# Altium PCB SoDeRa-PCIe_1v0.PcbDoc (part 5 of 8)
Units mm, origin at the board's own origin, x right, y up, seen from the top; angles counter-clockwise.
Board outline 136.85 x 68.9 mm, 12 copper layers (Top, L2, L3, L4, L5, L6, L7, L8, L9, L10, L11, Bottom), stack 1.638 mm thick; 750 components, 495 nets, 3617 pads, 1756 vias.
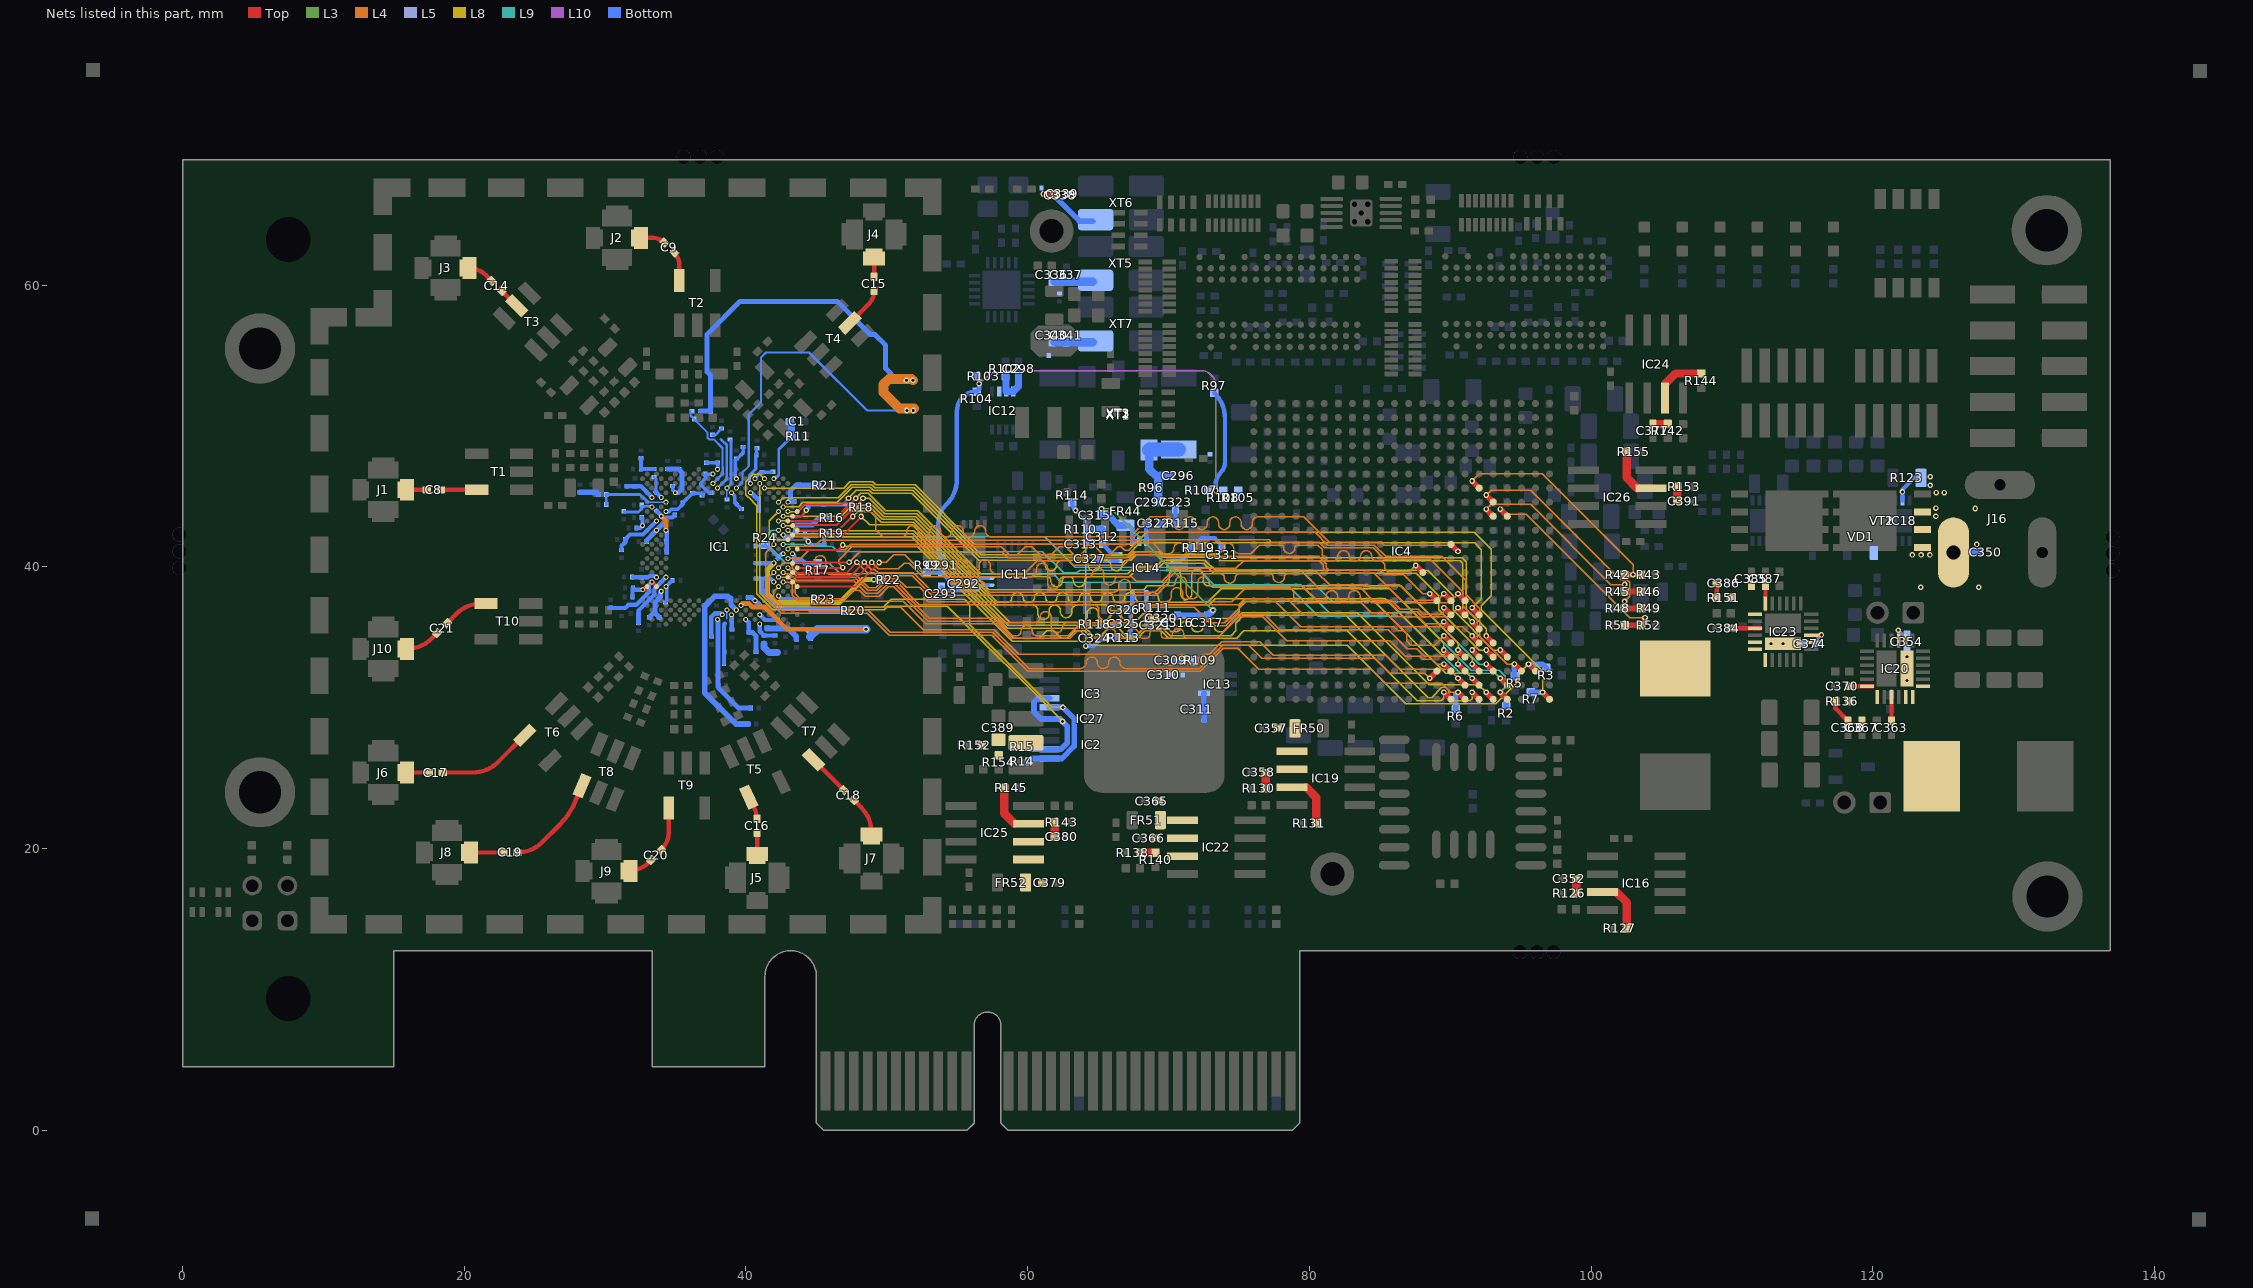
[diagram p15: the nets of this part, all layers, seen from the top]

## Via types
v1: diameter 0.4, hole 0.2, Top to Bottom, tented both sides, 1521 vias
v2: diameter 0.4, hole 0.2, Top to Bottom, tented top, 129 vias
v3: diameter 0.35, hole 0.2, Top to Bottom, tented top, 86 vias
v4: diameter 0.5, hole 0.2, Top to Bottom, tented both sides, 20 vias

## Nets (pads, with @x,y where several pads share a name; then routed paths per layer and width w, separated by ;. In a path a pad name is that pad's centre, name@x,y a point inside that pad or via, vN(x,y) a via of type N, cw(c..) or ccw(c..) an arc to the next point about the centre after c; other vN are vias at no path point) (continued)
LMS_DIQ1_D1: IC1.AF30 IC4.B7 | length 55.1
  Top w0.4: v1(90.55,32.1) IC4.B7@91.05,31.6
  L4 w0.1: v3(42.311,38.602) 41.986,38.277 41.986,37.801 42.637,37.15 50.982,37.15 52.582,35.55 57.633,35.55 59.383,33.8 68.55,33.8 68.95,33.8 69.35,33.8 cw(c69.35,33.4) 69.75,33.4 ccw(c70.15,33.4) 70.15,33 ccw(c70.15,33.4) 70.55,33.4 cw(c70.95,33.4) 70.95,33.8 cw(c70.95,33.4) 71.35,33.4 ccw(c71.75,33.4) 71.75,33 ccw(c71.75,33.4) 72.15,33.4 cw(c72.55,33.4) 72.55,33.8 72.875,33.8 72.891,33.8 73.766,34.675 76.48,34.675 77.43,33.725 85.43,33.725 86.405,32.75 89.9,32.75 v1(90.55,32.1)
LMS_DIQ1_D2: IC1.AF34 IC4.H8 | length 55
  Top w0.15: IC1.AF34@43.643,38.602 47.752,38.602 v1@49.457,40.307
  Top w0.4: v1(89.55,38.1) IC4.H8@90.05,37.6
  L4 w0.1: v1(49.45,40.314) 49.964,40.314 50.5,40.85 51.283,40.85 52.62,39.512 52.95,39.512 ccw(c52.95,39.912) 53.35,39.912 53.35,40.112 cw(c53.75,40.112) 53.75,40.512 cw(c53.75,40.112) 54.15,40.112 54.15,39.912 ccw(c54.55,39.912) 54.55,39.512 ccw(c54.55,39.912) 54.95,39.912 54.95,40.112 cw(c55.35,40.112) 55.35,40.512 cw(c55.35,40.112) 55.75,40.112 55.75,39.912 ccw(c56.15,39.912) 56.15,39.512 ccw(c56.15,39.912) 56.55,39.912 56.55,40.112 cw(c56.95,40.112) 56.95,40.512 cw(c56.95,40.112) 57.35,40.112 57.35,39.912 ccw(c57.75,39.912) 57.75,39.512 58.025,39.512 59.741,39.512 60.678,40.45 62.92,40.45 63.241,40.129 66.787,40.129 67.533,40.875 67.8,40.875 69.141,40.875 70.116,39.9 74.775,39.9 75.325,40.45 80.695,40.45 81,40.145 81,39.872 81.322,39.55 84.605,39.55 85.405,38.75 86.395,38.75 87.495,37.65 89.1,37.65 v1(89.55,38.1)
LMS_DIQ1_D3: IC1.AE31 IC4.C8 | length 55.4
  Top w0.4: v1(89.55,33.1) IC4.C8@90.05,32.6
  L4 w0.1: v3(42.644,38.935) 42.652,38.927 43.112,38.927 43.302,38.736 43.302,38.467 43.3,38.465 43.3,38 43.75,37.55 51.175,37.55 52.775,35.95 57.799,35.95 58.824,34.925 62.98,34.925 63.53,35.475 63.72,35.475 64.27,34.925 65.075,34.925 65.175,34.925 ccw(c65.175,35.225) 65.475,35.225 cw(c65.875,35.225) 65.875,35.625 cw(c65.875,35.225) 66.275,35.225 ccw(c66.575,35.225) 66.575,34.925 66.775,34.925 ccw(c66.775,35.225) 67.075,35.225 cw(c67.475,35.225) 67.475,35.625 cw(c67.475,35.225) 67.875,35.225 ccw(c68.175,35.225) 68.175,34.925 68.375,34.925 ccw(c68.375,35.225) 68.675,35.225 cw(c69.075,35.225) 69.075,35.625 cw(c69.075,35.225) 69.475,35.225 ccw(c69.775,35.225) 69.775,34.925 69.975,34.925 ccw(c69.975,35.225) 70.275,35.225 cw(c70.675,35.225) 70.675,35.625 cw(c70.675,35.225) 71.075,35.225 ccw(c71.375,35.225) 71.375,34.925 71.525,34.925 73.45,34.925 74.975,36.45 76.695,36.45 76.9,36.245 76.9,36.242 77.692,35.45 77.695,35.45 78.395,34.75 85.688,34.75 86.788,33.65 87.883,33.65 88.083,33.45 88.7,33.45 89.05,33.1 v1(89.55,33.1)
LMS_DIQ1_D4: IC1.AD30 IC4.C7 | length 55.3
  Top w0.4: v1(90.55,33.1) IC4.C7@91.05,32.6
  L4 w0.1: v3(42.311,39.268) 43.053,39.268 43.502,38.819 43.502,38.081 43.833,37.75 47.025,37.75 47.625,38.35 48.045,38.35 48.47,37.925 49.449,37.925 50.099,38.575 50.5,38.575 52.925,36.15 57.881,36.15 58.906,35.125 59.125,35.125 59.225,35.125 ccw(c59.225,35.425) 59.525,35.425 cw(c59.925,35.425) 59.925,35.825 cw(c59.925,35.425) 60.325,35.425 ccw(c60.625,35.425) 60.625,35.125 61.125,35.125 61.35,35.125 62.897,35.125 63.597,35.825 74.063,35.825 74.888,36.65 76.778,36.65 77.1,36.328 77.1,36.325 77.775,35.65 77.778,35.65 77.878,35.55 85.605,35.55 86.955,34.2 87.616,34.2 88.166,33.65 90.375,33.65 90.55,33.475 v1(90.55,33.1)
LMS_DIQ1_D5: IC1.AC29 IC4.C9 | length 55.2
  Top w0.4: v1(88.55,32.1) IC4.C9@89.05,32.6
  L4 w0.1: v3(41.978,39.601) 41.6,39.223 41.6,37.904 42.579,36.925 48.68,36.925 50.255,35.35 57.367,35.35 ; 57.367,35.35 57.533,35.35 60.099,32.784 63.75,32.784 ccw(c63.75,33.184) 64.15,33.184 64.15,33.2 cw(c64.55,33.2) 64.55,33.6 cw(c64.55,33.2) 64.95,33.2 64.95,33.184 ccw(c65.35,33.184) 65.35,32.784 ccw(c65.35,33.184) 65.75,33.184 65.75,33.2 cw(c66.15,33.2) 66.15,33.6 cw(c66.15,33.2) 66.55,33.2 66.55,33.184 ccw(c66.95,33.184) 66.95,32.784 67.25,32.784 72.176,32.784 73.842,34.45 75.705,34.45 76.63,33.525 84.625,33.525 85.7,32.45 88.2,32.45 v1(88.55,32.1)
LMS_DIQ1_D6: IC1.AE33 IC4.H7 | length 55.2
  Top w0.15: IC1.AE33@43.31,38.935 43.327,38.952 47.577,38.952 v1@48.935,40.31
  Top w0.4: v1(90.55,38.1) IC4.H7@91.05,37.6
  L4 w0.1: v1@48.925,40.345 v1(48.925,40.32) 49.375,39.87 50.825,39.87 51.23,40.275 51.575,40.275 52.538,39.312 60.225,39.312 ccw(c60.225,39.712) 60.625,39.712 60.625,39.85 cw(c61.025,39.85) 61.025,40.25 cw(c61.025,39.85) 61.425,39.85 61.425,39.312 61.425,38.8 ccw(c61.825,38.8) 61.825,38.4 ccw(c61.825,38.8) 62.225,38.8 62.225,38.912 cw(c62.625,38.912) 62.625,39.312 62.975,39.312 64.2,39.312 64.4,39.312 ccw(c64.4,39.512) 64.6,39.512 cw(c65,39.512) 65,39.912 cw(c65,39.512) 65.4,39.512 65.4,39.312 65.4,39.112 ccw(c65.8,39.112) 65.8,38.712 ccw(c65.8,39.112) 66.2,39.112 cw(c66.4,39.112) 66.4,39.312 66.95,39.312 67.372,39.312 67.709,38.975 69.539,38.975 70.264,39.7 80.455,39.7 81.43,38.725 84.1,38.725 84.275,38.55 85.625,38.55 85.625,38.53 86.705,37.45 89.9,37.45 v1(90.55,38.1)
LMS_DIQ1_D7: IC1.AD32 IC4.G8 | length 55.1
  Top w0.11: IC1.AD32@42.977,39.268 43.585,39.268
  Top w0.15: 43.585,39.268 45.813,39.268 47.348,39.268 48.4,40.32 v1(48.4,40.325)
  Top w0.4: v1(89.55,37.1) IC4.G8@90.05,36.6
  L4 w0.1: v1(48.4,40.325) 48.925,39.8 49.153,39.8 49.378,39.575 51.883,39.575 53.258,38.2 54.2,38.2 ccw(c54.2,38.6) 54.6,38.6 cw(c55,38.6) 55,39 cw(c55,38.6) 55.4,38.6 ccw(c55.8,38.6) 55.8,38.2 ccw(c55.8,38.6) 56.2,38.6 cw(c56.6,38.6) 56.6,39 cw(c56.6,38.6) 57,38.6 ccw(c57.4,38.6) 57.4,38.2 57.725,38.2 66.075,38.2 ccw(c66.075,38.6) 66.475,38.6 66.475,38.713 cw(c66.875,38.713) 66.875,39.113 cw(c66.875,38.713) 67.275,38.713 67.275,38.6 ccw(c67.675,38.6) 67.675,38.2 68.075,38.2 68.375,38.2 69.047,38.2 70.347,39.5 72.725,39.5 73.15,39.5 73.7,39.5 cw(c73.7,39.25) 73.95,39.25 ccw(c74.35,39.25) 74.35,38.85 ccw(c74.35,39.25) 74.75,39.25 cw(c75,39.25) 75,39.5 75.15,39.5 76.425,39.5 76.625,39.5 77.217,39.5 cw(c77.217,39.292) 77.425,39.292 ccw(c77.825,39.292) 77.825,38.892 ccw(c77.825,39.292) 78.225,39.292 cw(c78.433,39.292) 78.433,39.5 78.625,39.5 79.655,39.5 80.63,38.525 83.63,38.525 84.505,37.65 85.808,37.65 86.458,37 87.741,37 88.091,36.65 89.375,36.65 89.55,36.825 v1(89.55,37.1)
LMS_DIQ1_D8: IC1.AC31 IC4.E8 | length 55
  Top w0.4: v1(89.55,35.1) IC4.E8@90.05,34.6
  L4 w0.1: v3(42.644,39.601) 42.72,39.525 43.079,39.525 43.554,39.05 47.628,39.05 48.553,38.125 49.366,38.125 50.016,38.775 50.583,38.775 53.008,36.35 57.964,36.35 58.289,36.025 60.475,36.025 ccw(c60.475,36.425) 60.875,36.425 cw(c61.275,36.425) 61.275,36.825 cw(c61.275,36.425) 61.675,36.425 61.675,36.025 61.675,35.725 ccw(c62.075,35.725) 62.075,35.325 ccw(c62.075,35.725) 62.475,35.725 cw(c62.775,35.725) 62.775,36.025 63.275,36.025 67.605,36.025 68.705,37.125 71.825,37.125 72.925,36.025 73.98,36.025 75.48,37.525 77.62,37.525 79.395,35.75 85.975,35.75 86.275,35.45 86.705,35.45 86.9,35.255 86.9,34.75 87.2,34.45 88.9,34.45 v1(89.55,35.1)
LMS_DIQ1_D9: IC1.AC33 IC4.G7 | length 55.4
  Top w0.15: IC1.AC33@43.31,39.601 43.352,39.559 47.109,39.559 v1(47.875,40.325)
  Top w0.4: v1(90.55,37.1) IC4.G7@91.05,36.6
  L4 w0.1: v1(47.875,40.325) 48.625,39.575 49.095,39.575 49.295,39.375 51.8,39.375 53.175,38 69.13,38 69.78,38.65 70.075,38.65 70.225,38.65 ccw(c70.225,38.9) 70.475,38.9 cw(c70.875,38.9) 70.875,39.3 cw(c70.875,38.9) 71.275,38.9 71.275,38.65 71.275,38.125 ccw(c71.675,38.125) 71.675,37.725 ccw(c71.675,38.125) 72.075,38.125 72.075,38.65 72.075,38.9 cw(c72.475,38.9) 72.475,39.3 cw(c72.475,38.9) 72.875,38.9 ccw(c73.125,38.9) 73.125,38.65 73.675,38.65 73.925,38.65 79.505,38.65 80.505,37.65 80.8,37.65 80.925,37.65 ccw(c80.925,37.925) 81.2,37.925 cw(c81.6,37.925) 81.6,38.325 cw(c81.6,37.925) 82,37.925 ccw(c82.275,37.925) 82.275,37.65 82.525,37.65 ccw(c82.525,37.925) 82.8,37.925 cw(c83.2,37.925) 83.2,38.325 cw(c83.2,37.925) 83.6,37.925 ccw(c83.875,37.925) 83.875,37.65 83.925,37.65 84.222,37.65 84.422,37.45 85.725,37.45 86.375,36.8 87.658,36.8 88.008,36.45 89.9,36.45 v1(90.55,37.1)
LMS_DIQ1_D10: IC1.AB30 IC4.F8 | length 55.2
  Top w0.4: v1(89.55,36.1) IC4.F8@90.05,35.6
  L4 w0.1: v3(42.311,39.934) 42.636,40.259 43.141,40.259 43.302,40.098 43.302,39.892 43.744,39.45 44.475,39.45 ccw(c44.475,39.85) 44.875,39.85 44.875,40.398 cw(c45.275,40.398) 45.275,40.798 cw(c45.275,40.398) 45.675,40.398 45.675,39.85 ccw(c46.075,39.85) 46.075,39.45 46.475,39.45 46.75,39.45 47.794,39.45 48.293,38.95 48.3,38.95 48.725,38.525 49.2,38.525 49.85,39.175 50.749,39.175 51.374,38.55 52.342,38.55 52.65,38.242 52.65,37.825 52.95,37.525 69.8,37.525 ccw(c69.8,37.925) 70.2,37.925 70.2,38.125 cw(c70.6,38.125) 70.6,38.525 cw(c70.6,38.125) 71,38.125 71,37.925 ccw(c71.4,37.925) 71.4,37.525 71.8,37.525 72.3,37.525 74.48,37.525 75.405,38.45 78.695,38.45 78.9,38.245 78.9,37.75 79.2,37.45 83.695,37.45 84.395,36.75 85.875,36.75 86.175,36.45 87.725,36.45 88.225,35.95 89.4,35.95 v1(89.55,36.1)
LMS_DIQ1_D11: IC1.AB32 IC4.E6 | length 55.2
  Top w0.4: v1(91.55,35.1) IC4.E6@92.05,34.6
  L4 w0.1: v3(42.977,39.934) 43.661,39.25 47.711,39.25 48.636,38.325 49.283,38.325 49.933,38.975 50.666,38.975 52.316,37.325 63.85,37.325 64.25,37.325 64.65,37.325 cw(c64.65,36.925) 65.05,36.925 65.05,36.625 ccw(c65.45,36.625) 65.45,36.225 ccw(c65.45,36.625) 65.85,36.625 65.85,36.925 cw(c66.25,36.925) 66.25,37.325 cw(c66.25,36.925) 66.65,36.925 66.65,36.625 ccw(c67.05,36.625) 67.05,36.225 ccw(c67.05,36.625) 67.45,36.625 67.45,36.925 cw(c67.85,36.925) 67.85,37.325 68.25,37.325 68.425,37.325 74.997,37.325 75.397,37.725 78.42,37.725 79.595,36.55 85.605,36.55 86.405,35.75 90.9,35.75 v1(91.55,35.1)
LMS_DIQ2_D0: IC1.H30 IC4.G6 | length 58.1
  Top w0.4: v1(91.55,37.1) IC4.G6@92.05,36.6
  L8 w0.1: v3(42.311,44.596) 42.327,44.596 42.652,44.921 46.543,44.921 47.46,45.838 48.917,45.838 49.13,45.625 51.941,45.625 56.691,40.875 67.144,40.875 67.969,41.7 91.725,41.7 92.2,41.225 92.2,37.75 v1(91.55,37.1)
LMS_DIQ2_D1: IC1.J31 IC4.E5 | length 58.1
  Top w0.4: v1(92.55,35.1) IC4.E5@93.05,34.6
  L8 w0.1: v3(42.644,44.263) 43.735,44.263 44.047,44.575 46.48,44.575 47.543,45.638 48.835,45.638 49.047,45.425 51.858,45.425 56.608,40.675 67.226,40.675 67.626,41.075 69.358,41.075 69.558,40.875 73.533,40.875 73.758,40.65 90.85,40.65 91.15,40.35 91.15,36.995 92.55,35.595 v1(92.55,35.1)
LMS_DIQ2_D2: IC1.K30 IC4.A8 | length 58.2
  Top w0.4: v1(89.55,31.1) IC4.A8@90.05,30.6
  L8 w0.1: v3(42.311,43.93) 42.309,43.931 41.649,43.271 41.649,42.076 41.801,41.924 42.509,41.924 42.824,41.924 43.056,42.156 51.764,42.156 58.995,34.925 60.825,34.925 61.35,35.45 61.85,35.45 62.375,34.925 62.805,34.925 63.33,35.45 64.05,35.45 64.575,34.925 65.283,34.925 65.604,35.246 66.571,35.246 66.892,34.925 67.8,34.925 68.325,35.45 69.5,35.45 70.025,34.925 74.825,34.925 75.35,35.45 82.695,35.45 87.645,30.5 89.375,30.5 89.55,30.675 v1(89.55,31.1)
LMS_DIQ2_D3: IC1.K32 IC4.D7 | length 58.6
  Top w0.4: v1(90.55,34.1) IC4.D7@91.05,33.6
  L8 w0.1: v3(42.977,43.93) 43.685,43.93 44.13,44.375 48.966,44.375 49.766,43.575 52.042,43.575 57.234,38.383 68.225,38.383 68.492,38.65 69.65,38.65 ccw(c69.65,39.05) 70.05,39.05 70.05,39.45 cw(c70.45,39.45) 70.45,39.85 cw(c70.45,39.45) 70.85,39.45 70.85,38.65 70.85,38.1 ccw(c71.25,38.1) 71.25,37.7 ccw(c71.25,38.1) 71.65,38.1 71.65,38.65 71.65,39.45 cw(c72.05,39.45) 72.05,39.85 cw(c72.05,39.45) 72.45,39.45 72.45,39.05 ccw(c72.85,39.05) 72.85,38.65 73.25,38.65 73.3,38.65 86.495,38.65 90.55,34.595 v1(90.55,34.1)
LMS_DIQ2_D4: IC1.L31 IC4.D8 | length 58.5
  Top w0.4: v1(89.55,34.1) IC4.D8@90.05,33.6
  L8 w0.1: v3(42.644,43.597) 46.764,43.597 47.317,44.15 48.908,44.15 49.683,43.375 51.959,43.375 57.834,37.5 58.475,37.5 58.591,37.5 ccw(c58.591,37.784) 58.875,37.784 cw(c59.275,37.784) 59.275,38.184 cw(c59.275,37.784) 59.675,37.784 ccw(c59.959,37.784) 59.959,37.5 60.191,37.5 ccw(c60.191,37.784) 60.475,37.784 cw(c60.875,37.784) 60.875,38.184 cw(c60.875,37.784) 61.275,37.784 ccw(c61.559,37.784) 61.559,37.5 61.791,37.5 ccw(c61.791,37.784) 62.075,37.784 cw(c62.475,37.784) 62.475,38.184 cw(c62.475,37.784) 62.875,37.784 ccw(c63.159,37.784) 63.159,37.5 63.391,37.5 ccw(c63.391,37.784) 63.675,37.784 cw(c64.075,37.784) 64.075,38.184 cw(c64.075,37.784) 64.475,37.784 ccw(c64.759,37.784) 64.759,37.5 64.991,37.5 ccw(c64.991,37.784) 65.275,37.784 cw(c65.675,37.784) 65.675,38.184 cw(c65.675,37.784) 66.075,37.784 ccw(c66.359,37.784) 66.359,37.5 66.591,37.5 ccw(c66.591,37.784) 66.875,37.784 cw(c67.275,37.784) 67.275,38.184 cw(c67.275,37.784) 67.675,37.784 ccw(c67.959,37.784) 67.959,37.5 68.191,37.5 ccw(c68.191,37.784) 68.475,37.784 cw(c68.875,37.784) 68.875,38.184 cw(c68.875,37.784) 69.275,37.784 ccw(c69.559,37.784) 69.559,37.5 70.075,37.5 70.6,37.5 72.795,37.5 73.745,38.45 84.15,38.45 85.695,38.45 89.55,34.595 v1(89.55,34.1)
LMS_DIQ2_D5: IC1.K34 IC4.F6 | length 58.1
  Top w0.15: IC1.K34@43.643,43.93 44.145,44.431 46.831,44.431 v1(47.275,44.875)
  Top w0.4: v1(91.55,36.1) IC4.F6@92.05,35.6
  L8 w0.1: v1(47.275,44.875) 47.837,45.438 48.752,45.438 48.964,45.225 51.775,45.225 56.525,40.475 60.05,40.475 60.45,40.475 60.887,40.475 cw(c60.887,40.112) 61.25,40.112 ccw(c61.65,40.112) 61.65,39.712 ccw(c61.65,40.112) 62.05,40.112 cw(c62.413,40.112) 62.413,40.475 62.775,40.475 63.1,40.475 63.5,40.475 63.937,40.475 cw(c63.937,40.112) 64.3,40.112 ccw(c64.7,40.112) 64.7,39.712 ccw(c64.7,40.112) 65.1,40.112 cw(c65.463,40.112) 65.463,40.475 65.537,40.475 cw(c65.537,40.112) 65.9,40.112 ccw(c66.3,40.112) 66.3,39.712 ccw(c66.3,40.112) 66.7,40.112 cw(c67.063,40.112) 67.063,40.475 67.125,40.475 67.309,40.475 67.709,40.875 69.275,40.875 69.475,40.675 73.45,40.675 73.675,40.45 77.405,40.45 90.725,40.45 90.9,40.275 90.9,36.75 v1(91.55,36.1)
LMS_DIQ2_D6: IC1.M30 IC4.C6 | length 58.2
  Top w0.4: v1(91.55,33.1) IC4.C6@92.05,32.6
  L8 w0.1: v3(42.311,43.264) 46.714,43.264 47.4,43.95 48.825,43.95 49.6,43.175 51.876,43.175 57.751,37.3 59.525,37.3 59.925,37.3 60.325,37.3 cw(c60.325,36.9) 60.725,36.9 60.725,36.675 ccw(c61.125,36.675) 61.125,36.275 ccw(c61.125,36.675) 61.525,36.675 61.525,36.9 cw(c61.925,36.9) 61.925,37.3 cw(c61.925,36.9) 62.325,36.9 62.325,36.798 ccw(c62.725,36.798) 62.725,36.398 ccw(c62.725,36.798) 63.125,36.798 63.125,36.9 cw(c63.525,36.9) 63.525,37.3 63.925,37.3 65.55,37.3 65.95,36.9 66.85,36.9 67.25,37.3 72.878,37.3 73.328,37.75 85.395,37.75 89.395,33.75 91.325,33.75 91.55,33.525 v1(91.55,33.1)
LMS_DIQ2_D7: IC1.M32 IC4.D4 | length 58.1
  Top w0.11: IC1.M32@42.977,43.264 43.481,43.264
  Top w0.15: 43.481,43.264 46.189,43.264 47.425,44.5 47.43,44.5 47.65,44.72 47.65,44.725 v1(47.8,44.875)
  Top w0.4: v1(93.55,34.1) IC4.D4@94.05,33.6
  L8 w0.1: v1(47.8,44.875) 48.162,45.238 48.669,45.238 49.931,43.975 52.208,43.975 56.67,39.512 67.112,39.512 67.65,40.05 69.116,40.05 69.541,40.475 72.58,40.475 73.305,39.75 88.395,39.75 90.2,37.945 90.2,36.945 93.045,34.1 v1(93.55,34.1)
LMS_DIQ2_D8: IC1.N31 IC4.A5 | length 58.3
  Top w0.4: v1(92.55,31.1) IC4.A5@93.05,30.6
  L8 w0.1: v3(42.644,42.931) 43.244,42.931 43.619,42.556 51.929,42.556 58.636,35.85 63.695,35.85 66.5,35.85 69.725,35.85 70.175,35.4 70.45,35.4 70.5,35.4 ccw(c70.5,35.75) 70.85,35.75 cw(c71.25,35.75) 71.25,36.15 cw(c71.25,35.75) 71.65,35.75 ccw(c72,35.75) 72,35.4 72.1,35.4 ccw(c72.1,35.75) 72.45,35.75 cw(c72.85,35.75) 72.85,36.15 cw(c72.85,35.75) 73.25,35.75 ccw(c73.6,35.75) 73.6,35.4 73.875,35.4 75.225,36.75 83.395,36.75 88.495,31.65 92,31.65 v1(92.55,31.1)
LMS_DIQ2_D9: IC1.N33 IC4.D5 | length 58.2
  Top w0.15: IC1.N33@43.31,42.931 43.31,42.973 46.428,42.973 v1@48.28,44.825
  Top w0.4: v1(92.55,34.1) IC4.D5@93.05,33.6
  L8 w0.1: v1(48.305,44.875) 48.749,44.875 49.849,43.775 52.125,43.775 56.588,39.312 60.45,39.312 60.85,39.312 61.337,39.312 cw(c61.337,39) 61.65,39 ccw(c62.05,39) 62.05,38.6 ccw(c62.05,39) 62.45,39 cw(c62.763,39) 62.763,39.312 62.937,39.312 cw(c62.937,39) 63.25,39 ccw(c63.65,39) 63.65,38.6 ccw(c63.65,39) 64.05,39 cw(c64.363,39) 64.363,39.312 64.55,39.312 67.195,39.312 67.733,39.85 69.199,39.85 69.624,40.275 72.497,40.275 73.222,39.55 87.595,39.55 89.2,37.945 89.2,36.95 92.05,34.1 v1(92.55,34.1)
LMS_DIQ2_D10: IC1.P30 IC4.B4 | length 58.2
  Top w0.4: v1(93.55,32.1) IC4.B4@94.05,31.6
  L9 w0.1: v3(42.311,42.598) 42.303,42.59 41.843,42.59 41.653,42.399 41.653,41.464 42.842,40.275 45.925,40.275 46.7,39.5 61.825,39.5 62.4,38.925 72.767,38.925 73.142,38.55 78.595,38.55 80.645,36.5 86.645,36.5 90.695,32.45 93.2,32.45 v1(93.55,32.1)
LMS_DIQ2_D11: IC1.P32 IC4.A6 | length 58.1
  Top w0.4: v1(91.55,31.1) IC4.A6@92.05,30.6
  L8 w0.1: v3(42.977,42.598) 43.218,42.356 51.847,42.356 58.553,35.65 64.133,35.65 64.658,35.125 65.2,35.125 65.725,35.65 66.45,35.65 66.975,35.125 67.717,35.125 68.242,35.65 69.583,35.65 70.108,35.125 74.45,35.125 74.775,35.45 74.775,36.017 75.308,36.55 82.595,36.55 88.42,30.725 88.67,30.725 89.395,31.45 89.695,31.45 89.9,31.245 89.9,30.75 90.15,30.5 91.4,30.5 91.55,30.65 v1(91.55,31.1)
LMS_ENABLE_IQSEL1: IC1.Y32 IC4.D6 | length 55.4
  Top w0.4: v1(91.55,34.1) IC4.D6@92.05,33.6
  L4 w0.1: v3(42.977,40.6) 43.905,40.6 44.505,41.2 47.02,41.2 47.225,41.405 47.225,41.408 47.442,41.625 67.342,41.625 67.634,41.917 77.133,41.917 77.3,41.75 80.7,41.75 81.1,41.35 84.522,41.35 85.322,40.55 88.595,40.55 90.9,38.245 90.9,37.245 91.9,36.245 91.9,34.45 v1(91.55,34.1)
LMS_ENABLE_IQSEL2: IC1.R33 IC4.B6 | length 58.2
  Top w0.15: IC1.R33@43.31,42.265 43.352,42.223 45.375,42.223 46.848,42.223 v1@48.175,43.55
  Top w0.4: v1(91.55,32.1) IC4.B6@92.05,31.6
  L8 w0.1: v1(48.175,43.575) 48.775,42.975 51.794,42.975 58.71,36.058 63.825,36.058 ccw(c63.825,36.458) 64.225,36.458 64.225,36.7 cw(c64.625,36.7) 64.625,37.1 cw(c64.625,36.7) 65.025,36.7 65.025,36.458 ccw(c65.425,36.458) 65.425,36.058 65.583,36.058 ccw(c65.583,36.3) 65.825,36.3 cw(c66.225,36.3) 66.225,36.7 cw(c66.225,36.3) 66.625,36.3 ccw(c66.867,36.3) 66.867,36.058 67.425,36.058 67.583,36.058 68.225,36.7 68.575,36.7 68.925,36.35 74.542,36.35 75.025,36.833 75.025,37.25 75.325,37.55 84.595,37.55 89.695,32.45 91.2,32.45 v1(91.55,32.1)
LMS_FCLK1: IC1.AA33 IC4.H9 | length 48
  Top w0.15: IC1.AA33@43.31,40.284 IC1.AA33@43.31,40.267 43.368,40.325 v1(47.325,40.325)
  Top w0.4: v1(88.55,38.1) IC4.H9@89.05,37.6
  L4 w0.1: v1(47.325,40.325) 48.075,41.075 58.175,41.075 58.6,40.65 67.025,40.65 67.45,41.075 69.224,41.075 69.549,40.75 80.678,40.75 81.2,40.228 81.2,39.955 81.405,39.75 85,39.75 85.3,39.45 86.695,39.45 88.045,38.1 v1(88.55,38.1)
LMS_FCLK2: IC1.R29 IC4.C5 | length 55.3
  Top w0.4: v1(92.55,33.1) IC4.C5@93.05,32.6
  L9 w0.1: v3(41.978,42.265) 42.303,41.94 44.062,41.94 44.279,42.156 61.214,42.156 63.395,39.975 73.125,39.975 73.35,39.75 79.395,39.75 81.62,37.525 87.62,37.525 92.045,33.1 v1(92.55,33.1)
LMS_I2C_SCL: IC1.C27 IC2.6 IC3.6 R15.2 | length 44.4
  L8 w0.1: v3(41.312,46.261) 41.296,46.261 40.971,46.586 40.511,46.586 39.988,46.062 39.988,45.396 39.988,45.127 40.178,44.937 40.188,44.937 40.779,44.346 40.779,38.088 41.917,36.95 49.833,36.95 50.083,37.2 54.3,37.2 v1(62.475,29.025)
  Bottom w0.4: R15.2@60.125,27.15 60.225,27.05 IC2.6@61.55,27.05 62.368,27.05 62.8,27.482 62.8,28.7 v1(62.475,29.025) 62.3,29.2 60.95,29.2 60.45,29.7 60.45,30.4 60.725,30.675 IC3.6@61.55,30.675
LMS_I2C_SDA: IC1.D26 IC2.5 IC3.5 R14.2 | length 41.6